# KiCad board Nodes.kicad_pcb (continued)
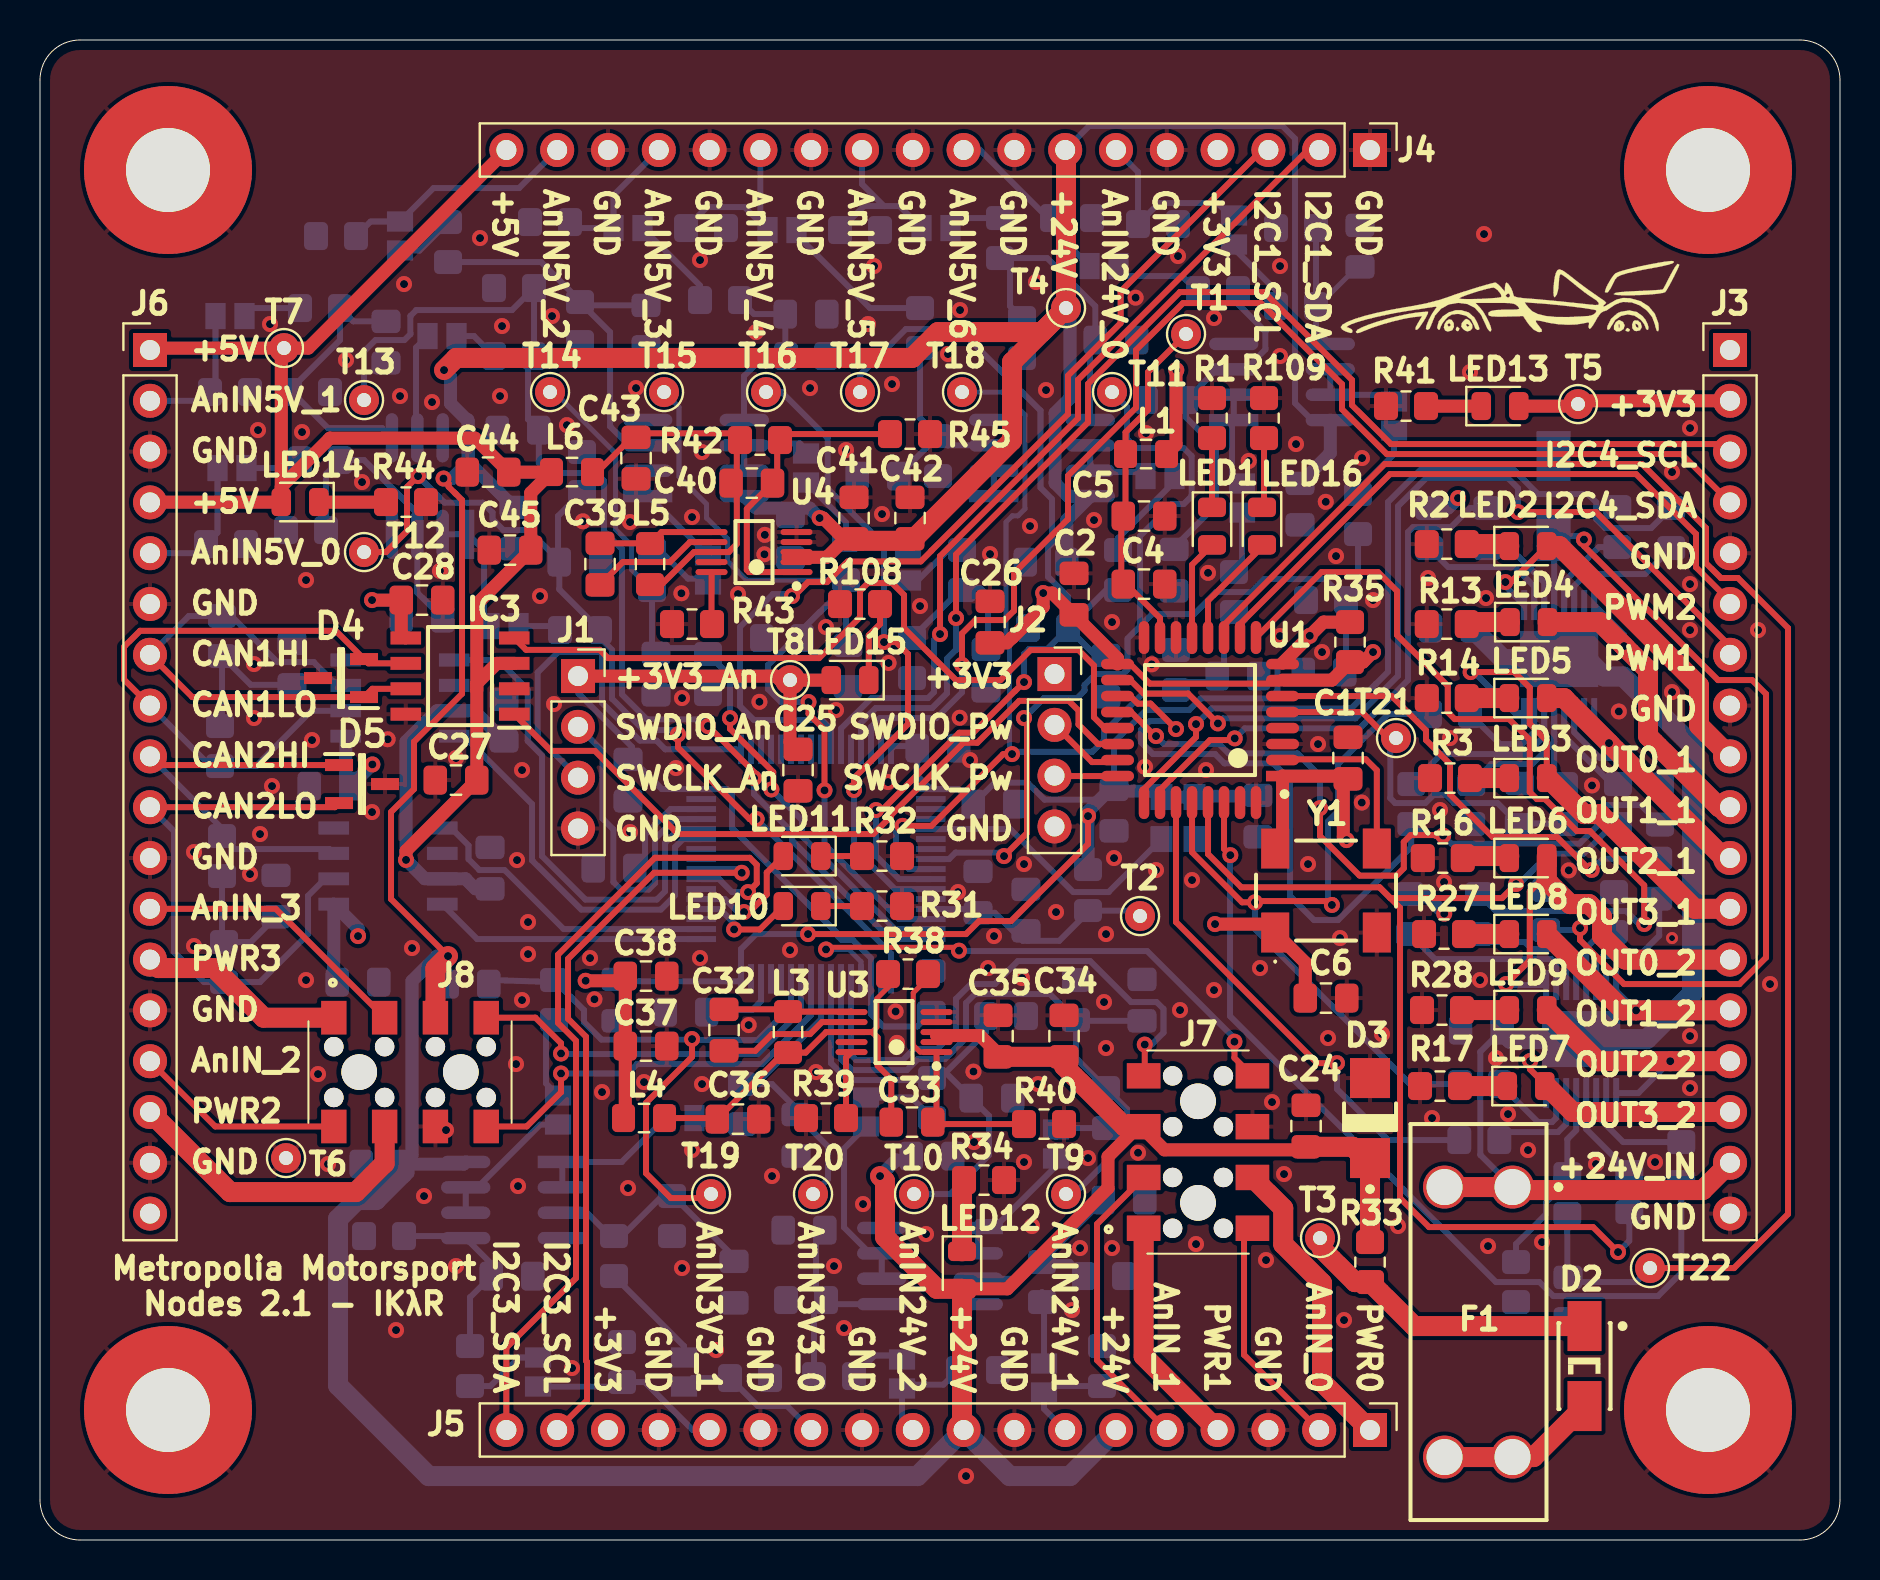
[diagram p0: board, top side]
## Routing (per net, layer and track width the routed paths; a pad name or vN(x,y) marks a point on that pad's centre or on a via; arc(x,y) is an arc through that point) (continued)
/AnalogNode/ADC9: length 19.3
  Top w0.3: J8.7 24.77,26.12 26.05,24.84 v1(26.05,24.33)
  Bottom w0.3: v1(26.05,24.33) 26.08,24.3 35.89,24.3 38.05,26.46 U2.26
/AnalogNode/ADC10: length 20.9
  Top w0.3: v1(26.05,23.33) 26.05,22.39 24.34,20.68 J8.8
  Bottom w0.3: v1(26.05,23.33) 29.38,23.33 29.86,23.8 36.09,23.8 38.55,26.25 U2.25
/AnalogNode/ADC11: length 27.5
  Top w0.3: v1(55.24,24.77) 55.24,23.26 J7.7
  Bottom w0.3: v1(55.24,24.77) 55.58,24.77 56.18,25.37 56.18,26.55 55.83,26.9 54.56,26.9 52.51,28.95 48.89,28.95 47.74,27.8 46.54,27.8 45.8,27.06 45.8,25.5 44.85,24.55 43.69,24.55 43.14,24 40.81,24 40.55,24.25 U2.21
/AnalogNode/ADC12: length 27.5
  Top w0.25: v1(39.3,29.53) 39.41,29.64 45.78,29.64 v1(45.95,29.47)
  Top w0.3: v1(59.72,24.92) 59.72,24.11 J7.8
  Bottom w0.25: U2.20 41.05,28.92 40.44,29.53 v1(39.3,29.53)
  Bottom w0.3: v1(59.72,24.92) 59.72,25.08 55.36,29.45 45.97,29.45 v1(45.95,29.47)
/AnalogNode/ADC13: length 25.1
  Bottom w0.3: 44.2,23.2 45.1,23.2 47.3,25.4 R59.1 ; 44.2,23.2 44.5,23.5 45.16,23.5 C60.1 47.45,21.21 47.45,19.25 45.5,17.3 T10.1 ; 44.2,23.2 44.2,23.3 ; 44.2,23.2 44,23 40.39,23 39.55,23.84 U2.23
/AnalogNode/ADC14: length 33.7
  Bottom w0.3: C59.1 51.84,25.96 R58.1 ; T9.1 51.7,17.3 54.35,19.95 54.35,21.55 R53.2 51.8,24.1 R58.1 ; R58.1 50.5,27.3 46.75,27.3 46.3,26.85 46.3,25.1 45.24,24.05 43.9,24.05 43.35,23.5 40.6,23.5 40.05,24.05 U2.22
/AnalogNode/ADC15: length 55.3
  Top w0.3: v1(48.2,34.2) 49.35,35.35 49.35,40.95 v1(49.2,41.1)
  Bottom w0.3: R64.1 65.3,43.46 C62.1 ; R64.1 65.9,47.6 65.9,50.5 ; R64.1 64.25,48.05 61.21,48.05 60.56,47.4 58.8,47.4 57.7,46.3 55.6,46.3 55,45.7 ; 55,45.7 54.38,45.07 54.38,43.53 54.15,43.3 52.77,43.3 52.23,42.75 52.23,42.47 51.85,42.1 50.2,42.1 v1(49.2,41.1) ; 55,45.7 55,50.2 56.6,51.8 57.18,51.8 57.58,52.19 57.58,54.2 57.18,54.6 54.8,54.6 54.35,55.05 54.35,56.65 T11.1 ; U2.8 45.45,34.05 45.78,34.37 48.03,34.37 v1(48.2,34.2)
/AnalogNode/CAN1Rx: length 20.5
  Bottom w0.3: U2.43 32.15,35.05 31.75,34.65 31.75,32.23 31.05,31.52 27.06,31.52 24.6,33.98 24.6,36.8 21.21,40.19 IC4.4
/AnalogNode/CAN1Tx: length 24.4
  Bottom w0.3: IC4.1 22.9,44 24.38,42.52 24.38,39.95 25.1,39.23 25.1,34.19 27.27,32.02 30.84,32.02 31.25,32.43 31.25,34.85 31.94,35.55 32.86,35.55
/AnalogNode/CAN2Rx: length 13.7
  Bottom w0.3: U2.33 21.86,30.05 IC5.4
/AnalogNode/CAN2Tx: length 15.4
  Bottom w0.3: U2.34 26.18,30.55 23.23,33.5 21.97,33.5 21.43,34.04 21.43,34.73 20.55,35.6 IC5.1
/AnalogNode/LED1: length 5.2
  Top w0.3: LED10.2 36,30.53 v1(34.7,30.53)
  Bottom w0.3: v1(34.7,30.53) 34.7,30.83 33.99,31.55 U2.36
/AnalogNode/LED2: length 6.2
  Top w0.3: LED11.2 36.34,33.37 36.34,32.27 35.46,31.4 v1(35.2,31.4)
  Bottom w0.3: U2.37 34.24,32.05 34.89,31.4 v1(35.2,31.4)
/AnalogNode/OSC_IN: length 13.9
  Bottom w0.3: U2.5 48.51,35.55 51.66,32.4 53.43,32.4 Y2.3
/AnIN3V3_0: length 7.6
  Bottom w0.3: J5.12 37.36,6.7 35.9,6.7 R106.1 32.63,8.1 L27.1
/AnIN3V3_1: length 9.7
  Bottom w0.3: J5.14 32.64,5.5 30.24,7.9 R107.1 28.88,7.67 L28.1
/AnIN5V_0: length 7
  Bottom w0.3: J6.5 7.84,49.34 R71.1 8.88,50.37 L13.1
/AnIN5V_1: length 7
  Bottom w0.3: J6.2 7.96,56.96 8.78,57.77 L14.1
/AnIN5V_2: length 12.1
  Bottom w0.3: L17.1 19.68,67.6 23.96,67.6 J4.17 ; L17.1 16.53,65.92 R81.1 ; L17.1 18.28,65.92
/AnIN5V_3: length 7.8
  Bottom w0.3: J4.15 28.68,67.24 L18.1 26.8,65.6 R82.1 26.94,66.34
/AnIN5V_4: length 9.5
  Bottom w0.3: 32.02,65.88 R91.1 33.35,66.65 35.23,66.65 L21.1 36.02,65.85 J4.13
/AnIN5V_5: length 8.3
  Bottom w0.3: 42.2,66.7 41.1,67.8 J4.11 ; 42.2,66.7 41.2,66.7 R92.1 ; 42.2,66.7 42.97,66.7 L22.1
/AnIN5V_6: length 9.4
  Bottom w0.3: 50.6,66.2 50.6,65.9 47,69.5 J4.9 ; R97.1 50.6,65.57 L25.1
/AnIN24V_0: length 9.5
  Bottom w0.3: 59.5,66.22 58.88,66.85 55.95,66.85 R63.1 54.9,68.4 J4.6
/AnIN24V_1: length 5.3
  Bottom w0.3: R56.1 50.53,7.7 L7.1 50.2,6.56 J5.7
/AnIN24V_2: length 5.6
  Bottom w0.3: J5.10 43.1,6.04 43.1,7.77 45.18,7.77 R57.1
/AnIN_0: length 11.8
  Top w0.3: J5.2 60.2,9.26 60.2,15.17 J7.2
/AnIN_1: length 15
  Top w0.3: J7.3 52.85,15.8 52.85,8.99 J5.5
/AnIN_2: length 10.5
  Top w0.3: J6.15 8.76,20.68 J8.2
/AnIN_3: length 14
  Top w0.3: J6.12 11.79,31.56 J8.3
/CAN1HI: length 25.9
  Top w0.3: J6.7 7.61,42.15 D4.1 16.62,42.56 IC3.7
  Bottom w0.3: J6.7 7.44,46.2 R46.1 9.57,46.2 11.87,43.9 13.69,43.9 14.85,42.73 IC4.7
/CAN1LO: length 30.8
  Top w0.3: J6.8 4.2,43.02 4.2,44.66 5,45.46 14.79,45.46 D4.2 16.42,43.83 IC3.6
  Bottom w0.3: IC4.6 13.57,41.46 10.8,38.7 R47.2 8.52,38.7 J6.8
/CAN2HI: length 21.1
  Top w0.3: D5.1 5.93,38.75 J6.9
  Bottom w0.3: J6.9 9.1,35.58 R48.1 9.75,34.55 14.48,34.55 IC5.7
/CAN2LO: length 29.1
  Top w0.3: D5.2 14.74,36.64 J6.10
  Bottom w0.3: J6.10 6.7,35.44 6.7,29.4 8.2,27.9 R49.2 11,27.9 13.4,30.3 13.4,32.21 14.25,33.06 IC5.6
/I2C1_SCL: length 48.4
  Top w0.3: J4.3 61.1,69.5 54.03,62.43 54.03,60.85 51.4,58.22 51.4,56.3 44.58,49.47 44.58,49.47 44.04,48.93 40.38,48.93 39.35,47.9 38.4,47.9 37.7,47.2 v1(37.6,47.2)
  Bottom w0.3: v1(37.6,47.2) 37.5,47.3 36.65,47.3 35,45.65 35,41.7 35.7,41 39.1,41 39.55,40.55 U2.58
/I2C1_SDA: length 41.9
  Top w0.3: J4.2 63.39,69.5 51.9,58.01 51.9,56.09 45,49.19 v1(45,45.3)
  Bottom w0.3: U2.59 40.05,40.57 41.57,42.1 44.4,42.1 44.7,42.4 44.7,45 v1(45,45.3)
/I2C3_SCL: length 37.1
  Top w0.3: J5.17 27.35,6.99 27.35,8.91 27.3,8.96 27.3,25.16 26.4,26.06 26.4,29.06 30.7,33.36 v1(35.09,33.36)
  Bottom w0.3: v1(35.09,33.36) 34.9,33.55 U2.40
/I2C3_SDA: length 41.8
  Top w0.3: J5.18 23.32,9.62 26.8,13.1 26.8,24.96 25.9,25.86 25.9,29.26 30.75,34.11 35.49,34.11 35.84,33.76 35.84,32.83 v1(35.4,32.4)
  Bottom w0.3: U2.39 33.95,33.05 34.6,32.4 v1(35.4,32.4)
/I2C4_SCL: length 62.7
  Top w0.3: J3.3 84.12,54.8 67.55,54.8 65.6,56.74 65.6,58 61.2,62.4 56.99,62.4 52.4,57.8 52.4,55.88 45.8,49.28 v1(45.8,46.1)
  Bottom w0.3: U2.61 41.05,40.87 41.78,41.6 44.61,41.6 45.35,42.34 45.35,44.06 45.79,44.5 45.8,44.5 v1(45.8,46.1)
/I2C4_SDA: length 63.5
  Top w0.3: J3.4 82.08,54.3 67.34,54.3 65.1,56.53 65.1,57.79 61.04,61.85 57.15,61.85 54.8,59.5 54.8,56.61 51.4,53.21 51.4,51.04 48.7,48.34 48.7,46.47 48.23,46 46.77,46 46.1,45.32 v1(46.1,43.75)
  Bottom w0.3: v1(46.1,43.75) 46.1,42.38 44.82,41.1 41.99,41.1 41.55,40.66 U2.62
/OUT0_1: length 19
  Top w0.3: LED2.2 73.54,47.9 v1(73.27,47.9)
  Top w1: LED2.2 75.97,49.7 82.95,42.72 82.95,40.73 J3.9
  Bottom w0.3: IC1.1 73.27,47.69 v1(73.27,47.9)
/OUT0_2: length 21.8
  Top w0.3: LED6.2 75.34,33.27 74.49,32.42 74.49,28.98 v1(73.3,27.8)
  Top w1: 75.34,34.2 75.34,32.96 76.5,31.8 77.46,31.8 78.1,31.15 78.1,30.2 79.28,29.02 J3.13
  Bottom w0.3: v1(73.3,27.8) 73.35,27.75 IC2.1
/OUT1_1: length 17.6
  Top w1: LED4.2 78,45.9 v1(79.2,44.7) 80.4,43.5 80.4,40.2 83.96,36.64 J3.10
  Bottom w0.3: v1(79.2,44.7) 79.2,45.26 IC1.8
/OUT1_2: length 12.4
  Top w1: J3.14 v1(79.8,26.48) 79.16,26.48 LED8.2
  Bottom w0.3: v1(79.8,26.48) 78.81,27.47 IC2.8
/OUT2_1: length 14.3
  Top w1: J3.11 84.2,34.1 v1(78.45,39.85) 76.2,42.1 LED5.2
  Bottom w0.3: IC1.9 77.71,40.59 v1(78.45,39.85)
/OUT2_2: length 13.6
  Top w1: LED9.2 77.9,23.94 v1(81.51,23.94) J3.15
  Bottom w0.3: IC2.9 79.92,22.35 v1(81.51,23.94)
/OUT3_1: length 23.6
  Top w0.3: v1(71.53,43.4) 73.71,43.4 74.49,42.62 74.49,40.81 75.34,39.96 LED3.2
  Top w1: J3.12 82.74,31.56 78,36.3 77.2,36.3 75.4,38.1 LED3.2
  Bottom w0.3: v1(71.53,43.4) 71.7,43.4 73.75,41.35 IC1.16
/OUT3_2: length 13.2
  Top w0.3: v1(74.51,23.95) 74.51,23.53 75.34,22.7
  Top w1: 75.34,22.7 76.63,21.4 J3.16
  Bottom w0.3: v1(74.51,23.95) 74.51,23.55 75.31,22.74 IC2.16
/PowerNode/ADCS1: length 19
  Top w0.3: U1.5 66.1,41.4 67.61,39.88
  Bottom w0.3: 67.7,39.7 67.8,39.7 67.51,39.41 67.51,37.09 67.76,36.85 69.27,36.85 69.67,37.25 70.31,37.25 70.71,36.85 72.88,36.85 C7.1 74.03,35.82 76.66,35.82
/PowerNode/ADCS2: length 81.6
  Top w0.3: U1.11 59.2,45.76 67.24,53.8 80.1,53.8 83.3,50.6 83.3,48.84 84.04,48.1 84.9,48.1 87.4,45.6 87.4,16.3 84.7,13.6 T22.1
  Bottom w0.3: T22.1 79.8,12.9 76.64,12.9 C9.1 76.36,13.17 R26.2
/PowerNode/CANRx: length 39.6
  Top w0.3: IC3.4 24.31,44.51 27.99,44.51 28.4,44.1 38.96,44.1 41,46.14 41,47.45 41.4,47.85 42.61,47.85 43.2,47.25 43.2,45.59 45.8,43 48.03,43 49.53,44.5 51.93,44.5 52.7,43.72 52.7,41.14 53.24,40.6 U1.21
/PowerNode/CANTx: length 36.7
  Top w0.3: U1.22 52.9,39.8 51.93,40.77 51.93,41.47 51.44,41.96 48.96,41.96 46.87,39.86 46.17,39.86 42.55,36.24 42.55,36.19 41.66,35.3 31.9,35.3 27.74,39.46 25.55,39.46 IC3.1
/PowerNode/IN0_1: length 27.2
  Top w0.3: U1.26 56,37.51 56.54,38.05 56.55,38.05 58.5,40 59.65,40 v1(59.74,40.08)
  Bottom w0.3: R5.1 71.5,51.6 70.55,50.65 68.65,50.65 68.4,50.4 68.4,43 67.2,41.8 67.19,41.8 65.98,40.58 60.24,40.58 v1(59.74,40.08)
/PowerNode/IN0_2: length 41.7
  Top w0.3: U1.9 64.08,48.4 66.9,48.4 67.85,47.45 67.85,45.25 70.39,42.71 70.39,41.39 70.73,41.05 73.45,41.05 74.49,40.01 74.49,37.4 74.84,37.05 75.25,37.05 76.85,35.45 77.49,35.45 80.21,32.73 v1(80.21,30.8)
  Bottom w0.3: R19.1 72.8,31.45 79.31,31.45 79.96,30.8 v1(80.21,30.8)
/PowerNode/IN1_1: length 41.2
  Top w0.3: U1.25 55.2,37.55 57.8,40.15 v1(57.8,40.8)
  Bottom w0.3: v1(57.8,40.8) 58.58,41.58 65.56,41.58 66.78,42.8 66.79,42.8 67.4,43.41 67.4,51.9 69.1,53.6 73.6,53.6 74.9,52.3 77.4,52.3 77.81,51.88 77.81,51.04 78.26,50.6 80.56,50.6 R10.1
/PowerNode/IN1_2: length 23.8
  Top w0.3: v1(77.59,33.5) 77.49,33.5 75.85,35.15 72.63,35.15 70.5,37.28 70.5,38.8 69.3,40 69.3,40.48 67.58,42.2 67.5,42.2 U1.6
  Bottom w0.3: v1(77.59,33.5) 78.15,34.07 R24.1
/PowerNode/IN2_1: length 36.1
  Top w0.3: v1(55.8,40.2) 55.75,40.2 54.55,41.4 U1.20 ; v1(64,36.6) 64,35.2 65.98,33.22 67.83,33.22 68.19,33.58 68.19,34.9 68.53,35.25 69.74,35.25 69.77,35.22 v1(70.16,35.22)
  Bottom w0.3: v1(64,36.6) 64,38.2 62.87,39.33 59.43,39.33 58.96,39.8 56.2,39.8 v1(55.8,40.2) ; v1(70.16,35.22) 70.56,34.82 76.98,34.82 77.85,35.69 77.85,36.4 78.2,36.75 80.03,36.75 R11.2 81.02,35.8 81.4,35.8
/PowerNode/IN2_2: length 44.2
  Top w0.3: U1.30 59.2,34.56 v1(59.52,34.24)
  Bottom w0.3: R25.2 82.06,13.36 80.9,12.2 75.67,12.2 74.97,12.9 72.8,12.9 59.5,26.2 59.5,34.23 v1(59.52,34.24)
/PowerNode/IN3_1: length 29.6
  Top w0.3: U1.19 54.51,42.2 54.89,41.82 55.53,41.82 v1(56.8,40.55)
  Bottom w0.3: R7.2 68.56,34.66 64.9,31 63.7,31 62.5,32.2 62.5,38 61.67,38.83 59.22,38.83 58.75,39.3 55.64,39.3 55.05,39.89 55.05,40.51 55.49,40.95 56.4,40.95 v1(56.8,40.55)
/PowerNode/IN3_2: length 25.4
  Top w0.3: v1(64.85,23.84) 63.85,23.84 56.8,30.9 U1.27
  Bottom w0.3: v1(64.85,23.84) 64.85,22.55 67.4,20 R21.2
/PowerNode/LED: length 5.8
  Top w0.3: U1.12 58.4,46.96 61.2,49.76
/PowerNode/SEL0: length 55.9
  Top w0.3: v1(78.9,14.4) 77.65,15.65 69.45,15.65 68,17.1 68,31.61 66.98,32.63 ; v1(73.8,32.8) 73.1,32.1 67.52,32.1 66.98,32.63 ; 66.98,32.63 60.06,32.63 58.4,34.3 U1.29
  Bottom w0.3: R9.2 78.35,35.8 78.35,35.48 77.19,34.32 75.47,34.32 73.95,32.8 v1(73.8,32.8) ; R23.2 79.46,14.96 v1(78.9,14.4)
/PowerNode/SEL1: length 38.4
  Top w0.3: v1(64.6,31.75) 64.4,31.95 60.81,31.95 v1(60.75,31.88) 60.11,31.88 57.6,34.39 U1.28
  Bottom w0.3: 71.06,22.8 68.5,22.8 60.75,30.55 v1(60.75,31.88) ; v1(64.6,31.75) 64.4,31.95 64.4,35.94 64.9,36.44 64.9,38.8 67.4,41.3 R4.2
/PWM1: length 46.2
  Top w0.3: v1(73.9,51.4) 77.8,51.4 84.5,44.7 J3.7 ; U1.18 54.51,43 55.19,42.32 57.4,42.32 v1(58.9,40.83)
  Bottom w0.3: v1(58.9,40.83) 59.15,41.08 65.77,41.08 66.99,42.3 66.99,42.3 67.9,43.2 67.9,51.69 69.31,53.1 73.39,53.1 73.9,52.59 v1(73.9,51.4)
/PWM2: length 32
  Top w0.3: J3.6 84.5,46.94 82.8,48.64 82.8,50.3 79.8,53.3 67.5,53.3 60,45.8 U1.10
/PWR0: length 15.1
  Top w1: J7.4 62.16,16.59 62.16,14.79 64.1,12.85 64.1,7.9 J5.1
/PWR1: length 11.6
  Top w1: J5.4 55.18,9.2 J7.1
/PWR2: length 15.8
  Top w1: J8.4 17.23,18.84 15.79,17.4 9.5,17.4 J6.16
/PWR3: length 10.4
  Top w1: J6.13 5.92,28.6 8.7,28.6 11.18,26.12 J8.1
/SWCLK_An: length 19.9
  Bottom w0.3: 26.93,38.12 24.88,40.16 24.88,43.38 25.9,44.4 28,44.4 28.1,44.3 28.1,41.86 29.99,39.97 30.83,39.97 31.26,39.53 34.85,39.53
/SWCLK_Pw: length 3.2
  Top w0.3: U1.24 50.75,38.2 J2.3
/SWDIO_An: length 15.6
  Bottom w0.3: 32.86,36.05 31.74,36.05 30.75,35.06 30.75,32.84 30.43,32.52 29.05,32.52 28.67,32.9 28.67,35.53 28.13,36.07 28.13,39.46 26.93,40.66
/SWDIO_Pw: length 4
  Top w0.3: J2.2 52.09,39.4 52.1,39.4 52.6,38.9 53.78,38.9 U1.23
Net-(C49-Pad1): length 7.6
  Bottom w0.3: R47.1 9.1,40.8 R46.2 10.54,42.76 C49.1
Net-(C54-Pad1): length 6.5
  Bottom w0.3: R48.2 9.1,30 R49.1 10.54,29.9 C54.1
Net-(D2-A): length 8.1
  Top w1: D2.1 74.68,4.15 F1.3 F1.4
Net-(D2-K): length 15.5
  Top w1: 64.1,15.3 64.1,14.55 65.75,12.9 R33.1 68.7,10.7 D2.2
Net-(IC1-CS): length 9.8
  Bottom w0.3: R15.1 72.56,38.8 74.6,38.8 75.71,39.91 75.71,40.4 ; 76.66,37.82 75.96,37.82 75.71,38.08 75.71,40.4 ; 75.71,40.4 IC1.13
Net-(IC1-INPUT0): length 4.7
  Bottom w0.3: R5.2 73.5,49.6 75.21,47.89 IC1.3
Net-(IC1-INPUT1): length 6.6
  Bottom w0.3: IC1.6 76.71,47.71 77.3,48.3 80.26,48.3 R10.2
Net-(IC1-INPUT2): length 6.3
  Bottom w0.3: 80.98,37.8 79.68,39.1 78,39.1 76.71,40.39 IC1.11
Net-(IC1-INPUT3): length 8.8
  Bottom w0.3: IC1.14 75.21,40.2 74.31,39.3 70.06,39.3 R7.1
Net-(IC1-SEL0): length 5.4
  Bottom w0.3: IC1.12 76.21,40.18 78.59,37.8 79.46,37.8
Net-(IC1-SEL1): length 5
  Bottom w0.3: IC1.15 74.71,40.41 74.1,39.8 73,39.8 R4.1
Net-(IC1-SEN): length 7
  Bottom w0.3: IC1.2 74.71,47.68 73.74,48.65 70.41,48.65 R6.2
Net-(IC1-~{FAULTRST}): length 4.5
  Bottom w0.3: IC1.5 76.21,47.91 77.94,49.65 R8.2
Net-(IC2-CS): length 9.7
  Bottom w0.3: R29.1 73.8,14.8 75.3,16.3 75.3,16.89 75.66,17.25 75.66,17.25 76.36,17.96 R26.1 76.36,20.04 76.81,20.49 IC2.13
Net-(IC2-INPUT0): length 6.2
  Bottom w0.3: IC2.3 76.31,29.08 75.84,29.55 74.6,29.55 74.25,29.89 74.25,29.9 72.35,29.9 R19.2
Net-(IC2-INPUT1): length 6.7
  Bottom w0.3: R24.2 80.96,32.02 80.96,30.22 79.94,29.2 78.16,29.2 77.81,28.85 IC2.6
Net-(IC2-INPUT2): length 5.9
  Bottom w0.3: R25.1 79.16,19.9 77.81,21.25 IC2.11
Net-(IC2-INPUT3): length 5.2
  Bottom w0.3: R21.1 73.36,20.4 75.9,20.4 76.31,20.81 IC2.14
Net-(IC2-SEL0): length 4.8
  Bottom w0.3: R23.1 77.31,20.55 IC2.12
Net-(IC2-SEL1): length 4.9
  Bottom w0.3: IC2.15 75.81,21.11 75.6,20.9 74.9,20.9 73.06,22.73 73.06,22.8
Net-(IC2-SEN): length 9
  Bottom w0.3: IC2.2 75.81,28.79 75.55,29.05 69.75,29.05 R20.2
Net-(IC2-~{FAULTRST}): length 3.5
  Bottom w0.3: IC2.5 77.31,29.61 78,30.3 78.7,30.3
Net-(L7-Pad2): length 3.2
  Bottom w0.3: 50.1,12.4 50.2,12.3 50.2,9.22
Net-(L8-Pad2): length 2.8
  Bottom w0.3: 43.1,9.22 41.73,9.22 R51.1
Net-(L9-Pad2): length 2.7
  Bottom w0.3: 50.8,20.15 51.25,20.6 R53.1
Net-(L10-Pad2): length 3.2
  Bottom w0.3: L10.2 43.57,22.12 44.2,21.5
Net-(L11-Pad2): length 4
  Bottom w0.3: R60.1 61.8,62.47 59.5,64.77
Net-(L12-Pad2): length 3.8
  Bottom w0.3: 65.9,52.5 67.7,54.3 67.7,55.57
Net-(L13-Pad2): length 2.8
  Bottom w0.3: L13.2 12.6,53.6 R65.1
Net-(L14-Pad2): length 2.9
  Bottom w0.3: R66.1 10.63,61.6 L14.2
Net-(L15-Pad2): length 2.2
  Bottom w0.3: L15.2 25.8,45.7 R68.1
Net-(L16-Pad2): length 2.3
  Bottom w0.3: R70.1 21.7,60.2 L16.2
Net-(L17-Pad2): length 3
  Bottom w0.3: R75.1 18.97,64.47 L17.2
Net-(L18-Pad2): length 4.8
  Bottom w0.3: R76.1 33,62.72 L18.2
Net-(L19-Pad2): length 3.5
  Bottom w0.3: R78.1 30.97,49.5 32.4,48.07 33.5,48.07
Net-(L20-Pad2): length 3.7
  Bottom w0.3: L20.2 40.3,50.87 R80.1
Net-(L21-Pad2): length 7.9
  Bottom w0.3: R85.1 41.5,61.6 37.83,65.27 L21.2
Net-(L22-Pad2): length 2.9
  Bottom w0.3: L22.2 46.03,66.1 48.2,66.1
Net-(L23-Pad2): length 3.6
  Bottom w0.3: 46.3,49.6 45.5,49.6 43.78,47.87 43.4,47.87
Net-(L24-Pad2): length 4.7
  Bottom w0.3: 53.9,49.7 53.9,50.1 56.73,52.92 L24.2
Net-(L25-Pad2): length 3.7
  Bottom w0.3: 57.9,62.4 57.1,63.2 54.53,63.2
Net-(L26-Pad2): length 3.2
  Bottom w0.3: 59.7,48.2 60.1,48.6 60.1,51.27
Net-(L27-Pad2): length 5.5
  Bottom w0.3: L27.2 32.2,9.7 R100.1
Net-(L28-Pad2): length 4
  Bottom w0.3: L28.2 23.95,9.12 22.52,7.7 R101.1
Net-(L29-Pad2): length 2.5
  Bottom w0.3: L29.2 33.03,20.8 R105.1
Net-(L30-Pad2): length 4.2
  Bottom w0.3: L30.2 25.3,22.82 25.3,25.6 R102.1
Net-(LED1-A): length 5.1
  Top w0.3: LED1.2 57.6,48.76 U1.13
Net-(LED1-K): length 3.5
  Top w0.3: LED1.1 R1.1
Net-(LED2-K): length 2.2
  Top w1: R2.2 73.36,49.8 LED2.1
Net-(LED3-K): length 2
  Top w1: R3.1 LED3.1
Net-(LED4-K): length 2.2
  Top w1: LED4.1 71.44,45.9 R13.2
Net-(LED5-K): length 2.1
  Top w1: R14.1 LED5.1
Net-(LED6-K): length 2.3
  Top w1: 71.14,34.2 73.46,34.2
Net-(LED7-K): length 2.4
  Top w1: LED7.1 R17.1
Net-(LED8-K): length 2.3
  Top w1: R27.2 LED8.1
Net-(LED9-K): length 2.4
  Top w1: LED9.1 R28.1
Net-(LED10-K): length 2.1
  Top w0.3: LED10.1 R31.1
Net-(LED11-K): length 2.1
  Top w0.3: LED11.1 R32.1
Net-(LED12-K): length 3.6
  Top w1: LED12.1 46.1,17.9 R34.1
Net-(LED13-K): length 2.8
  Top w0.65: LED13.1 R41.1
Net-(LED14-K): length 3.4
  Top w0.65: LED14.1 R44.1
Net-(LED15-K): length 4
  Top w0.3: R108.1 42,45.8 41.44,45.23 LED15.1
Net-(LED16-K): length 3.5
  Top w0.3: 61.2,51.63 R109.1
Net-(T1-Pin_1): length 17.5
  Top w0.3: U1.15 56,46.1 54.3,47.8 54.06,47.8 54.06,51.3 54.28,51.51 54.28,55.38 55.4,56.51 55.4,58.4 T1.1
Net-(T2-Pin_1): length 11.9
  Bottom w0.3: T2.1 54.73,31.47 L2.2 52.4,31.4 50.96,29.96 49.14,29.96 47.74,31.36 C21.1 46.84,31.36 46.65,31.55 U2.13
Net-(U1-PF0-OSC_IN): length 9.3
  Top w0.3: Y1.3 66.77,34.5 66.6,34.5 66.84,34.74 66.84,38.49 66.29,39.03 62.16,39.03 U1.2
Net-(U2-VCAP_1): length 4.1
  Bottom w0.3: U2.30 36.05,26.95 35.6,26.5 33.44,26.5 33.34,26.6
Net-(U2-VCAP_2): length 5.3
  Bottom w0.3: 29.74,33.3 30.25,33.81 30.25,35.27 31.53,36.55 31.94,36.55 32.86,36.55
Net-(U3-BD): length 21.4
  Top w0.25: 42.6,28.3 42.6,27.83 41.84,27.07 41.84,25.64 41.6,25.4 U3.8
  Top w0.3: C33.1 42.56,23.03 41.88,23.72 41.88,25.13 41.61,25.4 U3.8 39.31,25.4 38.28,24.37 L3.2 37.19,24.37 C36.1 33.81,21.1 L4.1
Net-(U3-BOOST): length 7
  Top w0.3: C32.1 35.76,24.46 36.6,25.3 38.5,25.3 39.1,25.9 U3.7
Net-(U3-FB): length 13.4
  Top w0.25: 44.6,28.3 43.66,27.36 43.66,24.74 44,24.4 U3.1
  Top w0.3: R40.1 44.74,20.8 C33.2 44.64,21.03 44.83,21.22 U3.1
Net-(U3-RT): length 3.4
  Top w0.3: U3.10 40.3,24.12 R39.1
Net-(U3-SW): length 6.4
  Top w0.3: U3.6 40.55,26.42 L3.1 37.29,26.53 C32.2
Net-(U4-BD): length 18.8
  Top w0.3: L5.2 31.08,47.77 32.7,49.4 U4.8 34.43,49.4 34.84,49.8 34.84,55.31 34.86,55.33 29.8,55.33 27.86,53.4 L6.1
Net-(U4-BOOST): length 6.5
  Top w0.3: U4.7 32.49,49.9 31.49,48.9 29.14,48.9 C39.1
Net-(U4-FB): length 15.2
  Top w0.3: R45.1 37.5,55.3 36.86,54.66 36.86,53.08 35.34,51.56 35.34,48.5 35.44,48.4 U4.1
Net-(U4-RT): length 2.6
  Top w0.3: R43.1 33.58,45.82 U4.10
Net-(U4-SW): length 5.8
  Top w0.3: C39.2 30.49,49.83 L5.1 31.08,50.4 U4.6
Net-(U5A-IN1+): length 10.9
  Bottom w0.3: 50.1,14.4 48.77,13.06 U5.3 ; 50.1,14.4 R50.2 51.5,13.9 R52.1 ; 50.1,14.4 50.56,14.4 C58.1 53.06,17
Net-(U5A-IN1-): length 6.7
  Bottom w0.3: L9.1 50.8,18.7 48.01,15.9 46.91,15.9 46.91,14.63
Net-(U5B-IN2+): length 10.8
  Bottom w0.3: R51.2 38.7,11.4 R54.1 ; C57.1 38.8,15.06 38.8,12.5 R54.1 ; U5.5 39.51,11.79 R54.1
Net-(U5B-IN2-): length 9.2
  Bottom w0.3: U5.6 U5.7 41.5,14.33 40.2,15.63 40.2,19.57 L10.1
Net-(U6A-IN1+): length 17.3
  Bottom w0.3: 56.7,49.63 58.8,51.73 58.8,54.63 57.3,56.13 R98.1 58.84,58.53 U6.3 60.28,58.53 61.27,59.53 61.27,60.43 59.9,61.8 59.9,62.4
Net-(U6A-IN1-): length 4.8
  Bottom w0.3: U6.2 U6.1 59.6,55.9 59.6,53.22 60.1,52.72
Net-(U6B-IN2+): length 9.3
  Bottom w0.25: 66.1,63.43 66.1,63.56 C61.1 65.86,63.66 63.9,61.7
  Bottom w0.3: U6.5 63.8,60.51 R60.2 R61.1
Net-(U6B-IN2-): length 4.6
  Bottom w0.3: U6.6 U6.7 67.46,57.26 67.7,57.02
Net-(U7A-IN1+): length 14.5
  Bottom w0.3: C65.1 18.87,47.37 U7.3 18.87,51.33 16.2,54 R65.2 14.3,53.3 R67.1
Net-(U7A-IN1-): length 6.3
  Bottom w0.3: U7.2 U7.1 22.2,49.49 22.2,45.97 L15.1
Net-(U7B-IN2+): length 13.8
  Bottom w0.3: C64.1 15.66,60.93 R66.2 15,60 12.5,57.5 14.4,55.6 17.11,55.6 U7.5
Net-(U7B-IN2-): length 6.6
  Bottom w0.3: U7.7 U7.6 18.8,55.17 18.8,59.62 L16.1
Net-(U8A-IN1+): length 19.9
  Bottom w0.3: C70.1 27.16,61.73 R77.1 ; R77.1 27,61.95 25.06,63.9 R75.2 ; R77.1 28.5,60.39 28.5,55.68 29.45,54.73 U8.3
Net-(U8A-IN1-): length 5.5
  Bottom w0.3: 33.5,49.52 33.1,49.52 30.39,52.24 U8.2
Net-(U8B-IN2+): length 9.4
  Bottom w0.3: U8.5 35.2,56.01 35.2,58.2 36.2,59.2 R79.1 37.26,59.23 C69.1 35.7,61.3 R76.2
Net-(U8B-IN2-): length 4.8
  Bottom w0.3: 38.5,54.32 37.99,54.83 35.21,54.83 35.21,53.56
Net-(U9A-IN1+): length 10.6
  Bottom w0.3: R85.2 44,56.1 R87.1 ; R87.1 42.94,53.23 C75.1 ; R87.1 45.37,54.73 U9.3
Net-(U9A-IN1-): length 6.8
  Bottom w0.3: 43.4,49.32 L23.1 46.17,52.19 U9.1 U9.2
Net-(U9B-IN2+): length 14.9
  Bottom w0.3: 48.2,64.1 48.5,63.8 48.5,61.7 R89.1 ; R86.2 50.36,64.1 52.76,61.69 C74.1 52.5,59.73 52.5,56.02 U9.5
Net-(U9B-IN2-): length 3.9
  Bottom w0.3: U9.6 52.51,53.76 52.88,53.4 55.28,53.4
Net-(U10A-IN1+): length 11.4
  Bottom w0.3: C84.1 34.7,14.15 31.66,17.2 31.1,17.2 29.1,15.2 R100.2 28.51,15.2 27.35,16.36 U10.3
Net-(U10A-IN1-): length 7.3
  Bottom w0.3: U10.2 U10.1 29.08,18.9 L29.1
Net-(U10B-IN2+): length 9.7
  Bottom w0.3: 18,15.2 21.18,15.2 U10.5 22.56,13.82 C83.1 21.5,12.13 R101.2
Net-(U10B-IN2-): length 7.2
  Bottom w0.3: U10.6 U10.7 21.88,17.63 25.01,20.77 L30.1

## Copper pours and planes (outline as drawn; the poured copper is in the pictures)
GND on Top, Bottom, In2.Cu: -3.8,77.4 92.8,77.4 95,75.2 95,1.8 90.7,-2.5 0.6,-2.5 -6.7,4.8 -6.7,74.5
VCC on In1.Cu: -3.8,77.4 92.8,77.4 95,75.2 95,1.8 90.7,-2.5 0.6,-2.5 -6.7,4.8 -6.7,74.5

## Text on the board
B.Silkscreen: Metropolia Motorsport / Nodes 2.1 - IKλR
F.Silkscreen: +5V | AnIN5V_1 | GND | AnIN5V_0 | CAN1HI | CAN1LO | CAN2HI | CAN2LO | AnIN_3 | PWR3 | AnIN_2 | PWR2 | +3V3_An | SWDIO_An | SWCLK_An | Metropolia Motorsport / Nodes 2.1 - IKλR | +3V3 | SWDIO_Pw | SWCLK_Pw | I2C4_SCL | I2C4_SDA | PWM2 | PWM1 | OUT0_1 | OUT1_1 | OUT2_1 | OUT3_1 | OUT0_2 | OUT1_2 | OUT2_2 | OUT3_2 | +24V_IN | AnIN5V_2 | AnIN5V_3 | AnIN5V_4 | AnIN5V_5 | AnIN5V_6 | +24V | AnIN24V_0 | I2C1_SCL | I2C1_SDA | I2C3_SDA | I2C3_SCL | AnIN3V3_1 | AnIN3V3_0 | AnIN24V_2 | AnIN24V_1 | AnIN_1 | PWR1 | AnIN_0 | PWR0
